# Allegro board P2597_B04_Allegro_layout.brd (continued)
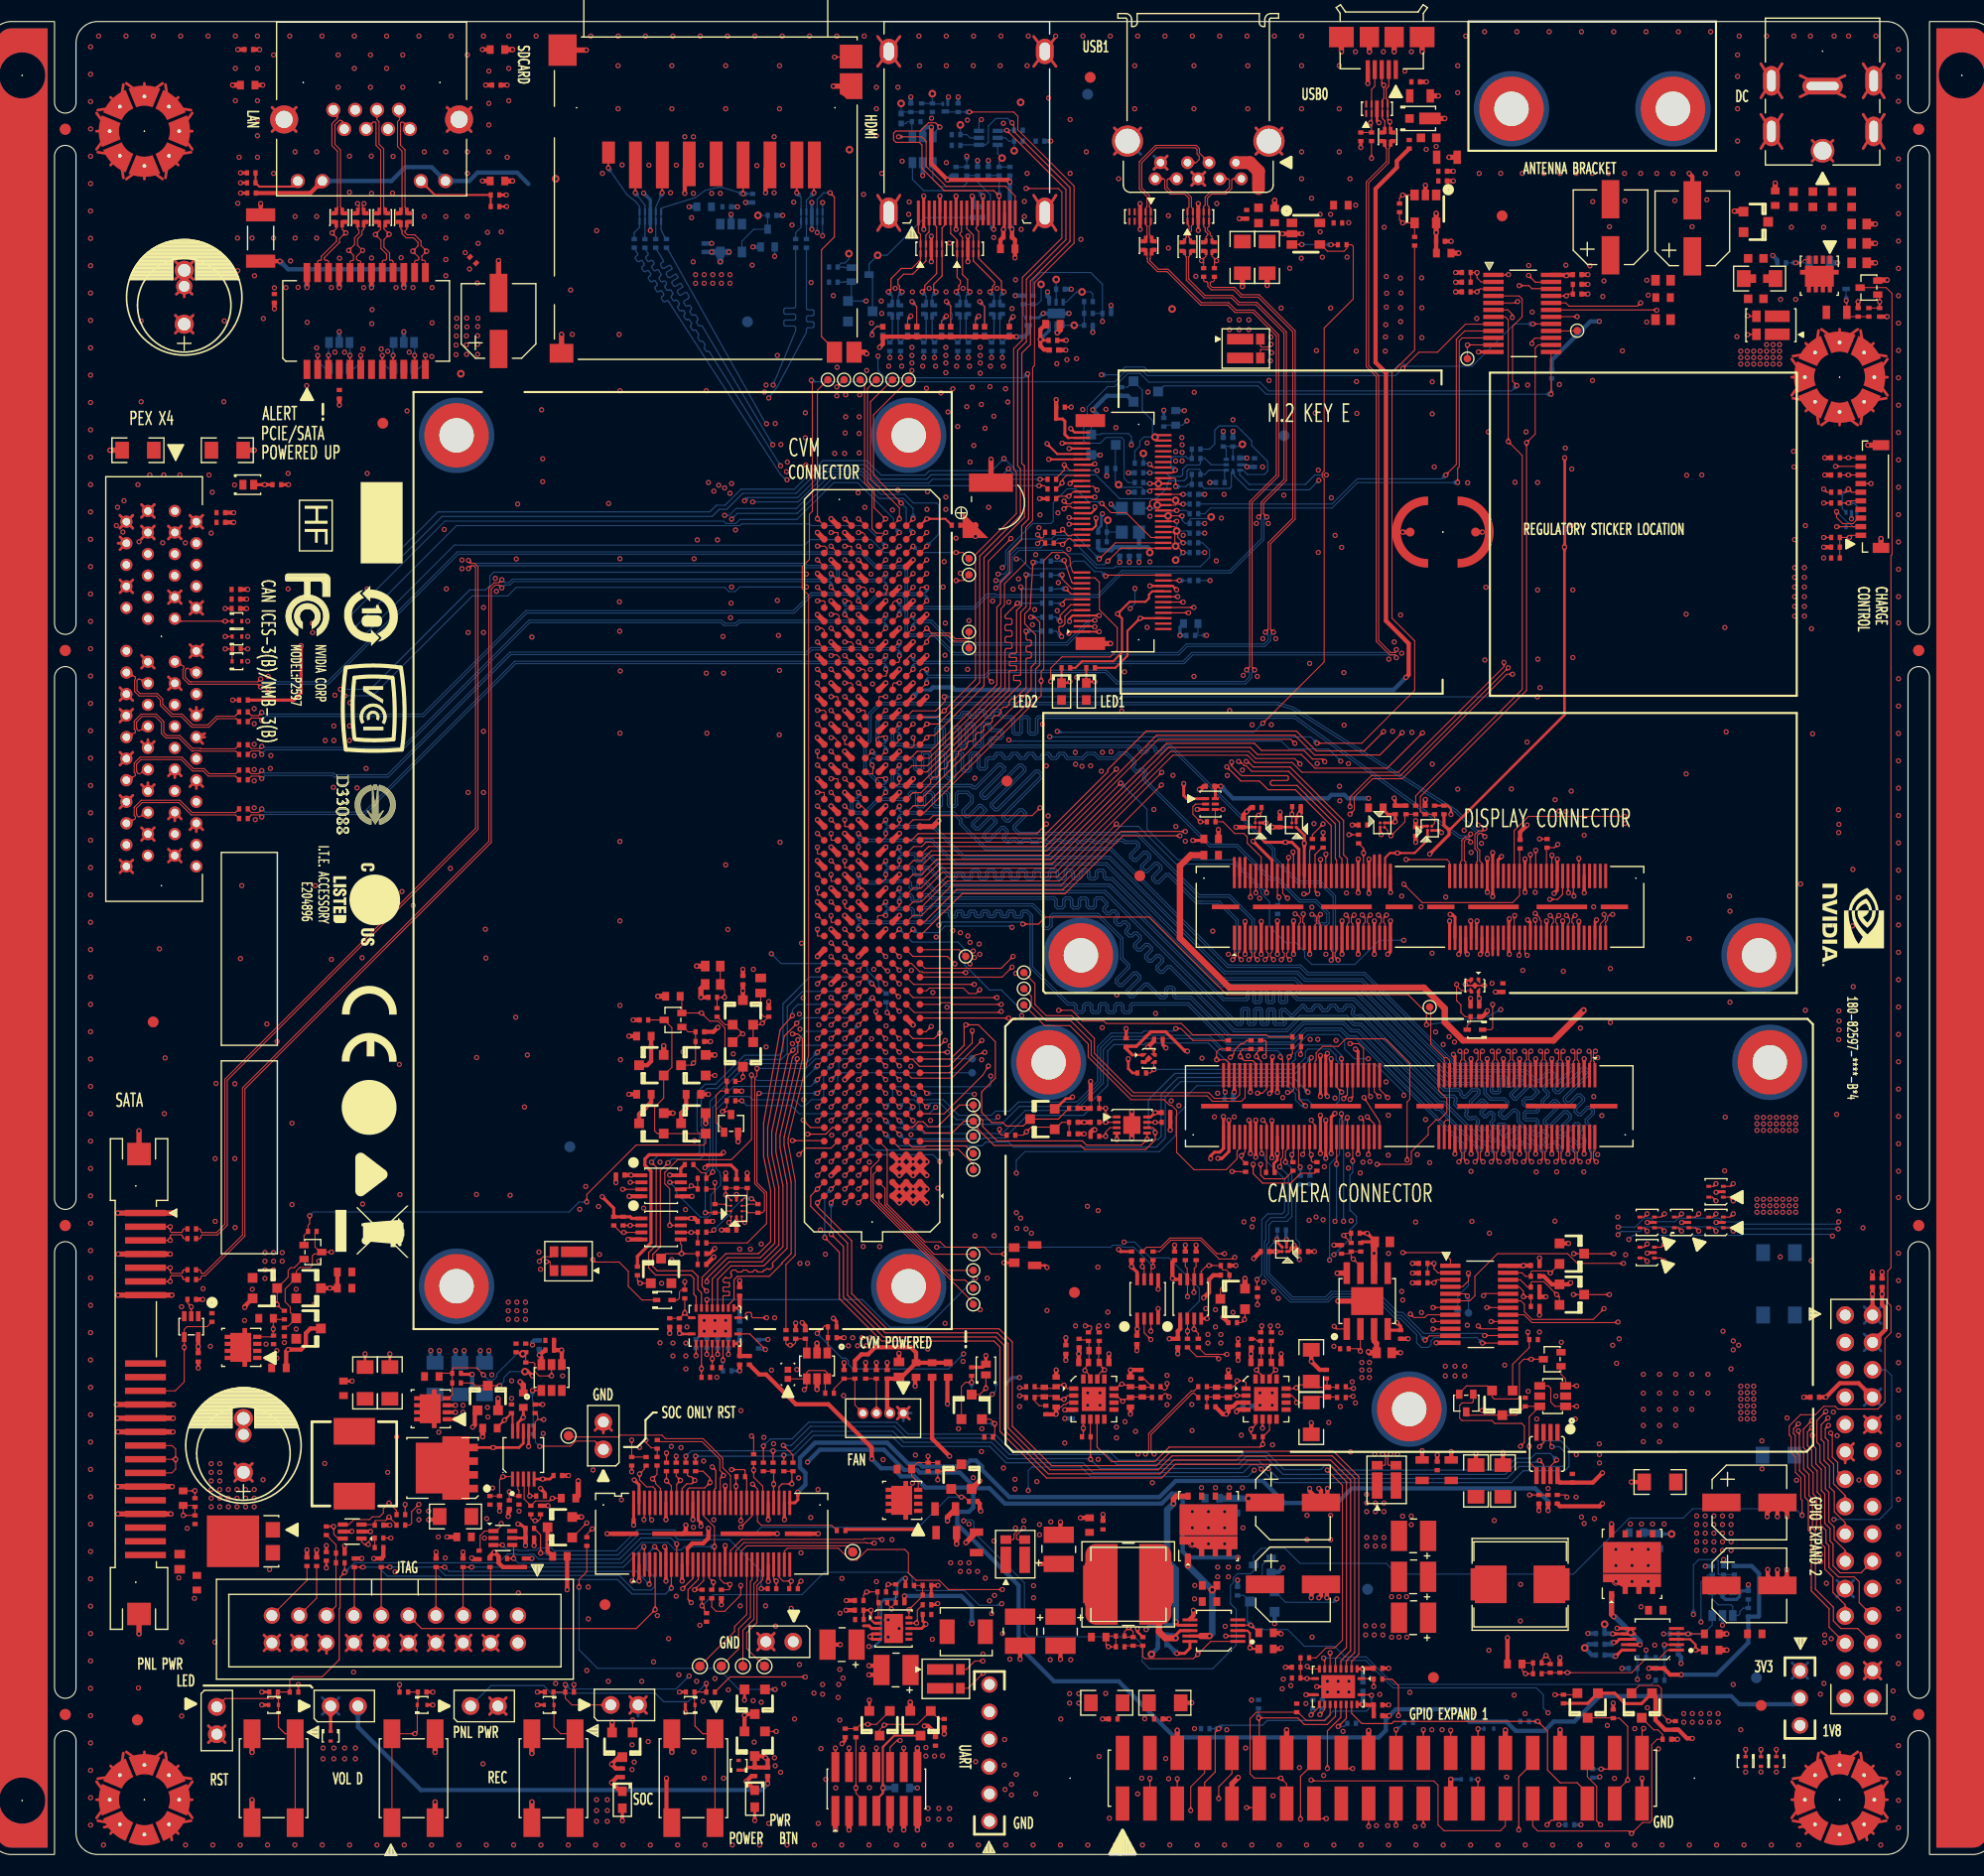
[diagram p0: board, top side]
## Routing (per net, layer and track width the routed paths; a pad name or vN(x,y) marks a point on that pad's centre or on a via; arc(x,y) is an arc through that point) (continued)
CON_CSI_F_D0_P: length 84
  TOP w0.101: v1(84.49,89.72) J13.C23 ; J22.38 140.1,65.32 139.95,65.17 139.95,64.58 v1(140.22,64.31)
  BOTTOM w0.101: v1(84.49,89.72) 84.49,89.3 84.59,89.2 84.91,89.2 84.91,89.19 85.55,89.19 85.78,88.96 85.78,88.7 85.85,88.63 86.22,88.63 86.29,88.7 86.29,88.96 86.52,89.19 87.3,89.19 87.59,88.9 98.92,88.9 99.15,88.67 99.15,88.1 99.25,88 99.55,88 99.65,88.1 99.65,88.67 99.89,88.91 100.36,88.91 100.6,88.67 100.6,88.1 100.7,88 101,88 101.1,88.1 101.1,88.67 101.33,88.9 101.82,88.9 102.05,88.67 102.05,88.1 102.15,88 102.45,88 102.55,88.1 102.55,88.67 102.78,88.9 103.33,88.9 103.85,88.38 103.85,88.06 103.61,87.82 103.61,87.68 103.83,87.46 103.97,87.46 104.21,87.7 104.53,87.7 104.88,87.35 104.88,87.03 104.64,86.79 104.64,86.65 104.86,86.43 105,86.43 105.24,86.67 105.56,86.67 105.91,86.32 105.91,86 105.68,85.76 105.68,85.62 105.89,85.4 106.03,85.4 106.27,85.64 106.59,85.64 106.96,85.27 106.96,84.95 106.47,84.46 106.47,84.32 106.69,84.1 106.83,84.1 107.32,84.59 107.64,84.59 107.99,84.24 107.99,83.91 107.51,83.43 107.51,83.29 107.72,83.07 107.86,83.07 108.35,83.56 108.68,83.56 109.02,83.21 109.02,82.88 108.54,82.4 108.54,82.26 108.75,82.04 108.89,82.04 109.38,82.53 109.71,82.53 115.63,76.61 120.41,76.61 121.71,77.91 126.04,77.91 126.76,77.19 127.42,77.19 134.68,69.92 135.14,69.92 139.95,65.1 139.95,64.58 v1(140.22,64.31)
CON_CSI_F_D1_N: length 83.9
  TOP w0.101: v1(80.68,85.91) 81.02,85.91 81.31,85.61 J13.E20 ; v1(136.46,64.31) 136.73,64.58 136.73,65.17 136.6,65.3 J22.52
  BOTTOM w0.101: v1(80.68,85.91) 80.68,86.36 80.75,86.43 87.42,86.43 87.48,86.5 87.48,86.5 88.08,87.1 88.09,87.1 88.11,87.12 88.11,87.13 88.44,87.46 89,87.46 89.05,87.41 89.05,87.14 89.22,86.96 89.69,86.96 89.87,87.14 89.87,87.41 89.92,87.46 90.2,87.46 90.25,87.41 90.25,87.16 90.43,86.98 90.89,86.98 91.07,87.16 91.07,87.41 91.12,87.46 91.4,87.46 91.45,87.41 91.45,87.16 91.63,86.98 92.09,86.98 92.27,87.16 92.27,87.41 92.32,87.46 92.6,87.46 92.65,87.41 92.65,87.16 92.83,86.98 93.29,86.98 93.47,87.16 93.47,87.41 93.52,87.46 93.8,87.46 93.85,87.41 93.85,87.16 94.03,86.98 94.49,86.98 94.67,87.16 94.67,87.41 94.72,87.46 95,87.46 95.05,87.41 95.05,87.14 95.23,86.96 95.79,86.96 95.97,87.14 95.97,87.41 96.02,87.46 96.31,87.46 96.63,87.14 96.63,82.34 100.11,78.86 100.67,78.86 100.77,78.76 100.77,78.34 101,78.11 101.49,78.11 101.72,78.34 101.72,78.76 101.82,78.86 102.12,78.86 102.23,78.76 102.23,78.31 102.46,78.08 102.94,78.08 103.17,78.31 103.17,78.76 103.27,78.86 103.58,78.86 103.68,78.76 103.68,78.31 103.91,78.08 104.39,78.08 104.62,78.31 104.62,78.76 104.73,78.86 105.03,78.86 105.13,78.76 105.13,78.31 105.36,78.08 105.85,78.08 106.08,78.31 106.08,78.76 106.18,78.86 111.26,78.86 114.92,75.2 121,75.2 122.3,76.5 125.45,76.5 126.17,75.78 126.83,75.78 136.73,65.88 136.73,64.58 v1(136.46,64.31)
CON_CSI_F_D1_P: length 84.1
  TOP w0.101: J22.50 137.1,65.32 136.95,65.17 136.95,64.58 v1(137.22,64.31) ; v1(80.68,87.18) J13.E21
  BOTTOM w0.101: v1(137.22,64.31) 136.95,64.58 136.95,65.97 126.92,76 126.27,76 125.55,76.72 122.2,76.72 120.9,75.42 115.01,75.42 111.35,79.08 106.09,79.08 105.86,78.85 105.86,78.4 105.75,78.3 105.45,78.3 105.35,78.4 105.35,78.85 105.12,79.08 104.63,79.08 104.4,78.85 104.4,78.4 104.3,78.3 104,78.3 103.9,78.4 103.9,78.85 103.67,79.08 103.18,79.08 102.95,78.85 102.95,78.4 102.85,78.3 102.55,78.3 102.45,78.4 102.45,78.85 102.22,79.08 101.73,79.08 101.5,78.85 101.5,78.43 101.4,78.33 101.1,78.33 100.99,78.43 100.99,78.85 100.77,79.08 100.2,79.08 96.85,82.43 96.85,87.23 96.4,87.68 95.93,87.68 95.75,87.5 95.75,87.23 95.7,87.18 95.32,87.18 95.27,87.23 95.27,87.5 95.09,87.68 94.63,87.68 94.45,87.5 94.45,87.25 94.4,87.2 94.12,87.2 94.07,87.25 94.07,87.5 93.89,87.68 93.43,87.68 93.25,87.5 93.25,87.25 93.2,87.2 92.92,87.2 92.87,87.25 92.87,87.5 92.69,87.68 92.23,87.68 92.05,87.5 92.05,87.25 92,87.2 91.72,87.2 91.67,87.25 91.67,87.5 91.49,87.68 91.03,87.68 90.85,87.5 90.85,87.25 90.8,87.2 90.52,87.2 90.47,87.25 90.47,87.5 90.29,87.68 89.83,87.68 89.65,87.5 89.65,87.23 89.6,87.18 89.32,87.18 89.27,87.23 89.27,87.5 89.09,87.68 88.35,87.68 87.8,87.13 87.8,87.12 87.79,87.12 87.32,86.65 80.78,86.65 80.68,86.75 v1(80.68,87.18)
CON_DSI3_CLK_N: length 75.7
  TOP w0.101: v1(83.22,103.69) 83.07,103.84 82.91,103.84 82.82,103.75 82.5,103.75 82.32,103.57 82.32,103.32 J13.D34 ; J23.68 137.1,92.15 137.1,92.15 136.96,92.29 136.96,94.08 137.14,94.26 137.45,94.26 137.55,94.16 v1(137.55,93.99)
  BOTTOM w0.101: v1(83.22,103.69) 83.22,103.25 83.13,103.16 82.87,103.16 82.55,103.48 82.55,105.15 82.89,105.49 87.94,105.49 88.25,105.18 89.15,105.18 89.46,105.49 90.14,105.49 90.37,105.72 90.37,105.86 90.42,105.91 90.82,105.91 90.87,105.86 90.87,105.72 91.1,105.49 91.59,105.49 91.82,105.72 91.82,106.01 91.92,106.11 92.22,106.11 92.32,106.01 92.32,105.72 92.55,105.49 93.04,105.49 93.27,105.72 93.27,106.01 93.37,106.11 93.67,106.11 93.77,106.01 93.77,105.72 94,105.49 94.85,105.49 94.95,105.39 94.95,104.16 95.18,103.93 95.67,103.93 95.9,104.16 95.9,105.39 96,105.49 96.3,105.49 96.4,105.39 96.4,104.16 96.63,103.93 97.12,103.93 97.35,104.16 97.35,105.39 97.45,105.49 121.17,105.49 136.52,94.36 137.32,94.36 137.55,94.13 v1(137.55,93.99)
CON_DSI3_CLK_P: length 75.8
  TOP w0.101: J13.D33 v1(83.22,102.42) ; J23.66 136.6,92.14 136.74,92.29 136.74,94.17 137.05,94.48 137.45,94.48 137.55,94.58 v1(137.55,94.75)
  BOTTOM w0.101: v1(83.22,102.42) 83.22,102.84 83.12,102.94 82.77,102.94 82.33,103.39 82.33,105.24 82.8,105.71 88.03,105.71 88.34,105.4 89.06,105.4 89.37,105.71 90.04,105.71 90.14,105.81 90.14,105.95 90.32,106.13 90.91,106.13 91.09,105.95 91.09,105.81 91.19,105.71 91.5,105.71 91.6,105.81 91.6,106.1 91.83,106.33 92.31,106.33 92.54,106.1 92.54,105.81 92.64,105.71 92.95,105.71 93.05,105.81 93.05,106.1 93.28,106.33 93.77,106.33 94,106.1 94,105.81 94.1,105.71 94.94,105.71 95.17,105.48 95.17,104.25 95.27,104.15 95.58,104.15 95.68,104.25 95.68,105.48 95.91,105.71 96.39,105.71 96.62,105.48 96.62,104.25 96.73,104.15 97.03,104.15 97.13,104.25 97.13,105.48 97.36,105.71 121.24,105.71 136.59,94.58 137.38,94.58 v1(137.55,94.75)
CON_DSI4_CLK_N: length 75.8
  TOP w0.101: J23.74 138.6,92.05 138.6,92.05 138.4,92.25 138.4,93.23 138.17,93.46 138.17,94.6 138.37,94.8 138.59,94.8 v1(138.88,94.5) ; v1(83.22,99.88) 83.12,99.98 82.48,99.98 82.3,99.8 82.3,99.53 J13.D31
  BOTTOM w0.101: v1(83.22,99.88) 83.22,99.45 83.11,99.35 82.88,99.35 81.4,100.83 81.4,102.91 81.85,103.36 81.85,105.86 82.73,106.75 119.65,106.75 119.68,106.71 119.75,106.71 121.02,106.3 136.11,96.8 138.07,94.85 138.54,94.85 v1(138.88,94.5)
CON_DSI4_CLK_P: length 76
  TOP w0.101: J23.72 138.1,92.12 138.18,92.2 138.18,93.14 137.95,93.37 137.95,94.69 138.28,95.02 138.64,95.02 v1(138.88,95.26) ; J13.D30 v1(83.22,98.61)
  BOTTOM w0.101: v1(83.22,98.61) 83.22,99.06 83.15,99.13 82.78,99.13 82.78,99.14 81.18,100.74 81.18,103 81.63,103.45 81.63,105.95 82.64,106.97 119.71,106.97 119.73,106.95 121.04,106.53 121.07,106.53 136.25,96.98 138.16,95.07 138.69,95.07 v1(138.88,95.26)
CON_DSI_A_CLK_N: length 65.1
  TOP w0.101: v1(78.14,103.69) 78.44,103.69 78.77,103.35 J13.G34 ; v1(125.98,87.22) 126.25,86.96 126.25,86.55 126.1,86.4 J23.43
  L4 w0.101: v1(78.14,103.69) 78.14,103.23 78.19,103.18 84.69,103.18 85.86,102.02 95.2,102.02 95.52,101.7 95.66,101.7 96.05,102.08 96.4,102.08 96.76,101.72 96.76,101.36 96.38,100.98 96.38,100.84 96.59,100.62 96.74,100.62 97.12,101.01 97.47,101.01 97.84,100.64 97.84,100.29 97.45,99.9 97.45,99.76 97.67,99.55 97.81,99.55 98.14,99.87 98.47,99.87 99.1,99.24 99.1,98.88 98.75,98.53 98.75,98.46 99.83,97.39 104.41,97.39 105.16,97.39 106.07,96.48 106.08,96.48 107.57,94.98 107.58,94.98 109.63,92.93 118.6,92.93 118.64,92.89 119.02,92.51 119.02,92.5 121.04,90.49 123.04,90.49 125.15,88.38 125.15,86.58 125.55,86.18 126.15,86.18 126.23,86.26 126.23,86.97 v1(125.98,87.22)
CON_DSI_A_CLK_P: length 65.2
  TOP w0.101: J23.45 126.6,86.41 126.47,86.55 126.47,86.96 v1(126.74,87.22) ; J13.G33 v1(78.14,102.42)
  L4 w0.101: v1(78.14,102.42) 78.14,102.62 78.45,102.93 84.59,102.93 85.75,101.76 95.1,101.76 95.33,101.53 95.41,101.44 95.77,101.44 96.15,101.83 96.29,101.83 96.51,101.61 96.51,101.47 96.13,101.08 96.13,100.73 96.49,100.37 96.84,100.37 97.23,100.75 97.37,100.75 97.59,100.53 97.59,100.39 97.2,100.01 97.2,99.66 97.57,99.29 97.92,99.29 98.24,99.62 98.36,99.62 98.85,99.13 98.85,98.98 98.5,98.64 98.5,98.36 99.72,97.14 104.51,97.14 105.06,97.14 105.97,96.22 107.47,94.72 107.47,94.72 109.52,92.68 118.49,92.68 118.77,92.4 120.93,90.24 122.93,90.24 124.9,88.27 124.9,86.47 125.44,85.93 126.25,85.93 126.48,86.16 126.48,86.97 v1(126.74,87.22)
CON_DSI_A_D0_N: length 65.5
  TOP w0.101: J23.55 129.1,86.39 129.25,86.55 129.25,86.96 v1(128.98,87.22) ; J13.F35 v1(79.41,104.96)
  L4 w0.101: v1(79.41,104.96) 79.59,104.78 80.15,104.78 80.45,104.48 84.71,104.48 85.3,103.89 85.3,103.58 85.87,103.01 96.06,103.01 105.11,98.15 106.07,97.67 110.74,93.63 118.86,93.63 121.32,91.17 123.46,91.17 125.9,88.73 130.14,88.73 130.9,87.97 130.9,86.33 130.5,85.93 129.7,85.93 129.24,86.39 129.24,86.97 v1(128.98,87.22)
CON_DSI_A_D0_P: length 65.4
  TOP w0.101: v1(129.74,87.22) 129.47,86.96 129.47,86.55 129.61,86.41 129.6,86.4 J23.57 ; v1(79.41,103.69) 79.41,103.1 79.46,103.05 J13.F34
  L4 w0.101: v1(129.74,87.22) 129.49,86.97 129.49,86.5 129.81,86.18 130.39,86.18 130.65,86.44 130.65,87.87 130.04,88.48 125.79,88.48 123.35,90.92 121.21,90.92 118.75,93.38 110.65,93.38 105.93,97.46 105,97.92 96,102.75 85.77,102.75 85.05,103.47 85.05,103.78 84.6,104.23 80.34,104.23 80.04,104.53 79.46,104.53 79.25,104.32 79.25,103.85 v1(79.41,103.69)
CON_DSI_A_D1_N: length 64.6
  TOP w0.101: v1(76.87,102.42) 76.87,101.86 76.94,101.78 77.5,101.78 ; J23.49 127.6,86.4 127.75,86.55 127.75,86.96 v1(127.48,87.22)
  L4 w0.101: v1(76.87,102.42) 76.87,102.01 76.97,101.91 84.68,101.91 85.23,101.36 94.93,101.36 95.22,101.06 95.22,100.75 95.22,100.71 95.15,100.64 95.15,100.44 95.31,100.28 95.51,100.28 95.61,100.38 95.91,100.38 99.55,96.73 104.68,96.73 104.68,96.73 104.89,96.73 105.57,96.06 105.73,95.89 105.73,95.89 107.3,94.32 107.31,94.32 107.73,93.9 108.01,93.62 109.35,92.28 109.36,92.28 109.4,92.23 118.37,92.23 120.77,89.83 122.35,89.83 122.82,89.36 122.82,89.08 124.49,87.41 124.49,86.31 124.8,86 124.8,85.98 125.5,85.28 126.79,85.28 127.73,86.22 127.73,86.97 v1(127.48,87.22)
CON_DSI_A_D1_P: length 64.7
  TOP w0.101: 77.5,100.51 v1(76.87,101.15) ; v1(128.24,87.22) 127.97,86.96 127.97,86.55 128.11,86.41 128.1,86.4 J23.51
  L4 w0.101: v1(76.87,101.15) 76.87,101.55 76.98,101.66 84.57,101.66 85.12,101.11 94.82,101.11 94.97,100.96 94.97,100.86 94.97,100.82 94.9,100.75 94.9,100.33 95.2,100.03 95.61,100.03 95.72,100.13 95.8,100.13 99.45,96.48 104.78,96.48 105.31,95.95 105.62,95.64 105.62,95.64 107.2,94.07 107.2,94.07 107.83,93.44 109.25,92.02 109.25,92.02 109.3,91.98 118.26,91.98 120.67,89.58 122.25,89.58 122.57,89.25 122.57,88.97 124.24,87.3 124.24,86.2 124.55,85.9 124.55,85.88 125.39,85.03 126.9,85.03 127.99,86.12 127.99,86.97 v1(128.24,87.22)
CON_DSI_A_D2_N: length 75.8
  TOP w0.101: J13.C35 v1(84.49,104.96) ; J23.37 124.6,83.91 124.73,83.78 124.73,83.16 v1(124.6,83.03)
  BOTTOM w0.101: v1(124.6,83.03) 124.78,83.21 124.78,88.9 123.51,90.17 121.46,90.17 119.14,92.49 119.14,93.27 109.64,102.78 109.2,102.78 109.1,102.68 109.1,102.46 108.87,102.23 108.38,102.23 108.15,102.46 108.15,102.68 108.05,102.78 107.75,102.78 107.65,102.68 107.65,102.46 107.42,102.23 106.93,102.23 106.7,102.46 106.7,102.68 106.6,102.78 93.02,102.78 92.79,103.01 92.79,103.53 93.02,103.76 93.83,103.76 93.93,103.86 93.93,104.16 93.83,104.26 93.02,104.26 92.79,104.49 92.79,104.76 92.69,104.86 92.39,104.86 92.28,104.76 92.28,103.01 92.05,102.78 91.57,102.78 91.34,103.01 91.34,104.76 91.24,104.86 90.93,104.86 90.83,104.76 90.83,103.01 90.6,102.78 90.22,102.78 89.99,103.01 89.99,104.45 89.89,104.56 89.58,104.56 89.48,104.45 89.48,103.01 89.25,102.78 88.76,102.78 88.53,103.01 88.53,104.45 88.43,104.56 88.12,104.56 88.01,104.45 88.01,102.99 87.79,102.77 84.88,102.77 84.72,102.94 84.16,102.94 83.74,103.36 83.74,104.15 84.02,104.43 84.39,104.43 84.49,104.53 v1(84.49,104.96)
CON_DSI_A_D2_P: length 75.7
  TOP w0.101: v1(125.25,83.05) 124.95,83.35 124.95,83.73 125.1,83.88 J23.39 ; v1(84.49,103.69) 84.49,103.47 84.07,103.05 J13.C34
  BOTTOM w0.101: v1(84.49,103.69) 84.49,104.14 84.42,104.21 84.12,104.21 83.96,104.05 83.96,103.46 84.26,103.16 84.82,103.16 84.98,103 87.69,103 87.79,103.09 87.79,104.54 88.02,104.78 88.52,104.78 88.75,104.55 88.75,103.1 88.85,103 89.16,103 89.26,103.1 89.26,104.55 89.49,104.78 89.98,104.78 90.21,104.55 90.21,103.1 90.32,103 90.51,103 90.61,103.1 90.61,104.85 90.84,105.08 91.33,105.08 91.56,104.85 91.56,103.1 91.66,103 91.96,103 92.06,103.1 92.06,104.85 92.29,105.08 92.78,105.08 93.01,104.85 93.01,104.58 93.11,104.48 93.92,104.48 94.15,104.25 94.15,103.77 93.92,103.54 93.11,103.54 93.01,103.44 93.01,103.1 93.11,103 106.69,103 106.92,102.77 106.92,102.55 107.02,102.45 107.33,102.45 107.43,102.55 107.43,102.77 107.66,103 108.14,103 108.37,102.77 108.37,102.55 108.47,102.45 108.78,102.45 108.88,102.55 108.88,102.77 109.11,103 109.73,103 119.36,93.36 119.36,92.58 121.56,90.39 123.61,90.39 125,88.99 125,83.3 v1(125.25,83.05)
CON_DSI_A_D3_N: length 76.1
  TOP w0.101: J13.E33 v1(81.95,102.42) ; J23.31 123.1,86.33 123.25,86.48 123.25,87.03 123,87.28 v1(122.81,87.28)
  BOTTOM w0.101: v1(81.95,102.42) 81.95,102.38 82.43,101.9 84.81,101.9 84.82,101.9 85,101.9 85.01,101.9 85.8,101.9 86.03,101.66 86.03,100.9 86.09,100.84 86.47,100.84 86.53,100.9 86.53,102.27 86.67,102.4 87.26,102.4 87.45,102.21 87.45,100.11 87.53,100.03 87.81,100.03 87.86,100.08 87.86,102.18 88.04,102.36 88.68,102.36 88.89,102.15 88.89,100.2 89.09,100 89.39,100 89.49,100.1 89.49,102.21 89.69,102.41 90.25,102.41 90.45,102.21 90.45,100.8 90.55,100.7 90.85,100.7 90.95,100.8 90.95,102.11 91.18,102.34 91.72,102.34 91.95,102.11 91.95,101 92.05,100.9 92.35,100.9 92.45,101 92.45,101.66 92.68,101.89 93.18,101.89 93.28,102 93.28,102.1 93.51,102.33 94,102.33 94.23,102.1 94.23,102 94.33,101.89 94.63,101.89 94.73,102 94.73,102.1 94.96,102.33 95.45,102.33 95.68,102.1 95.68,102 95.78,101.89 96.08,101.89 96.18,102 96.18,102.1 96.41,102.33 96.9,102.33 97.13,102.1 97.13,102 97.23,101.89 97.54,101.89 97.64,102 97.64,102.1 97.87,102.33 98.35,102.33 98.58,102.1 98.58,102 98.68,101.89 98.99,101.89 99.09,102 99.09,102.1 99.32,102.33 99.81,102.33 100.04,102.1 100.04,102 100.14,101.89 101.45,101.89 101.89,102.33 102.65,102.33 103.09,101.89 104.41,101.89 104.87,102.35 105.63,102.35 106.46,101.52 106.46,101.2 106.29,101.03 106.29,100.89 106.51,100.67 106.65,100.67 106.82,100.84 107.14,100.84 107.49,100.49 107.49,100.16 107.32,100 107.32,99.86 113.4,93.78 115.88,93.78 118.97,90.69 119.68,90.69 119.75,90.63 121.74,88.64 123.2,88.64 124.41,87.43 124.41,86.47 124.22,86.28 123.5,86.28 123.1,86.68 123.1,87.13 122.95,87.28 v1(122.81,87.28)
CON_DSI_A_D3_P: length 76.1
  TOP w0.101: J23.33 123.6,86.34 123.61,86.34 123.47,86.48 123.47,87.14 v1(123.61,87.28) ; v1(81.95,101.15) 82.1,101 82.1,100.84 82.01,100.75 82.01,100.36 81.98,100.33 81.5,100.33 J13.E32
  BOTTOM w0.101: v1(123.61,87.28) 123.47,87.28 123.32,87.13 123.32,86.77 123.59,86.5 124.13,86.5 124.19,86.56 124.19,87.34 123.11,88.42 121.64,88.42 119.59,90.47 118.87,90.47 115.79,93.56 113.31,93.56 107.1,99.76 107.1,100.09 107.27,100.26 107.27,100.4 107.05,100.62 106.91,100.62 106.74,100.45 106.41,100.45 106.07,100.8 106.07,101.12 106.24,101.29 106.24,101.43 105.54,102.13 104.96,102.13 104.51,101.67 102.99,101.67 102.56,102.11 101.98,102.11 101.54,101.67 100.04,101.67 99.81,101.9 99.81,102.01 99.71,102.11 99.41,102.11 99.31,102.01 99.31,101.9 99.08,101.67 98.59,101.67 98.36,101.9 98.36,102.01 98.26,102.11 97.96,102.11 97.86,102.01 97.86,101.9 97.63,101.67 97.14,101.67 96.91,101.9 96.91,102.01 96.81,102.11 96.51,102.11 96.41,102.01 96.41,101.9 96.18,101.67 95.69,101.67 95.46,101.9 95.46,102.01 95.36,102.11 95.05,102.11 94.95,102.01 94.95,101.9 94.72,101.67 94.24,101.67 94.01,101.9 94.01,102.01 93.91,102.11 93.6,102.11 93.5,102.01 93.5,101.9 93.27,101.67 92.78,101.67 92.68,101.57 92.68,100.91 92.45,100.68 91.96,100.68 91.73,100.91 91.73,102.02 91.63,102.12 91.27,102.12 91.17,102.02 91.17,100.71 90.94,100.48 90.46,100.48 90.23,100.71 90.23,102.12 90.16,102.19 89.78,102.19 89.71,102.12 89.71,100.01 89.48,99.78 89,99.78 88.67,100.11 88.67,102.06 88.59,102.14 88.13,102.14 88.08,102.09 88.08,99.98 87.91,99.81 87.44,99.81 87.23,100.02 87.23,102.12 87.17,102.18 86.76,102.18 86.75,102.18 86.75,100.81 86.57,100.62 86,100.62 85.81,100.81 85.81,101.57 85.71,101.67 84.92,101.67 84.91,101.68 84.91,101.67 82.28,101.67 82.17,101.78 81.98,101.78 81.77,101.58 81.77,101.32 v1(81.95,101.15)
CON_DSI_B_CLK_N: length 64.9
  TOP w0.101: J13.G31 78.77,99.83 78.72,99.88 v1(78.14,99.88) ; J23.13 118.6,83.82 118.74,83.67 118.74,83.37 v1(118.45,83.08)
  L4 w0.101: v1(78.14,99.88) 78.14,99.47 78.24,99.37 89.8,99.37 90.05,99.12 90.05,98.83 90.1,98.78 90.55,98.78 90.6,98.83 90.6,99.31 90.87,99.58 91.28,99.58 91.55,99.31 91.55,98.83 91.6,98.78 91.74,98.78 92.24,99.28 92.69,99.28 92.9,99.28 93.16,99.02 93.16,98.56 93.77,97.95 94.03,97.95 94.23,97.75 94.23,97.48 94.84,96.88 95.35,96.88 96.4,95.83 96.4,95.32 97.59,94.12 99.57,94.12 99.83,93.86 100.34,93.86 100.6,94.12 101.08,94.12 101.35,93.86 101.86,93.86 102.66,94.66 102.94,94.66 103.73,93.86 103.92,93.86 103.92,93.86 104.34,93.86 104.34,93.86 104.88,93.86 104.96,93.78 106.46,92.28 106.46,92.28 108.55,90.2 109.19,90.2 111.66,87.72 118.01,87.72 118.93,86.81 118.93,85.26 117.64,83.97 114.89,83.97 114.66,83.74 114.66,83.27 115.25,82.68 118.55,82.68 118.66,82.79 118.66,82.87 v1(118.45,83.08)
CON_DSI_B_CLK_P: length 65
  TOP w0.101: v1(119.25,83.08) 118.96,83.37 118.96,83.67 119.1,83.81 119.1,83.82 J23.15 ; J13.G30 v1(78.14,98.61)
  L4 w0.101: v1(78.14,98.61) 78.14,98.92 78.34,99.12 89.7,99.12 89.8,99.02 89.8,98.73 90,98.53 90.65,98.53 90.85,98.73 90.85,99.21 90.97,99.33 91.18,99.33 91.3,99.21 91.3,98.73 91.49,98.53 91.84,98.53 92.34,99.03 92.79,99.03 92.9,98.92 92.9,98.66 92.9,98.66 92.9,98.45 93.66,97.7 93.86,97.7 93.86,97.7 93.92,97.7 93.98,97.64 93.98,97.58 93.98,97.58 93.98,97.38 94.74,96.62 94.94,96.62 94.94,96.62 95.25,96.62 96.15,95.72 96.15,95.21 97.49,93.87 99.46,93.87 99.73,93.6 100.44,93.6 100.71,93.87 100.98,93.87 101.25,93.6 101.96,93.6 102.76,94.4 102.83,94.4 103.63,93.61 103.81,93.61 103.81,93.61 104.44,93.61 104.44,93.61 104.78,93.61 104.78,93.61 104.85,93.53 106.36,92.03 106.36,92.03 108.45,89.94 109.08,89.94 111.55,87.47 117.91,87.47 118.67,86.71 118.67,85.36 117.53,84.22 114.78,84.22 114.41,83.85 114.41,83.17 115.15,82.43 118.66,82.43 118.92,82.69 118.92,82.75 v1(119.25,83.08)
CON_DSI_B_D0_N: length 64.8
  TOP w0.101: J13.F32 v1(79.41,101.15) ; J23.25 121.6,86.4 121.74,86.55 121.74,86.96 121.47,87.23 121.35,87.23 v1(121.25,87.33)
  L4 w0.101: v1(121.25,87.33) 121.35,87.23 121.47,87.23 121.73,86.97 121.73,86.66 121.25,86.18 120.8,86.18 120.55,86.43 120.55,87.03 119.2,88.38 112.02,88.38 109.55,90.85 108.83,90.85 106.73,92.94 106.73,92.94 105.16,94.52 104,94.52 103.17,95.35 102.1,95.35 101.85,95.1 101.85,94.78 101.75,94.68 101.45,94.68 101.35,94.78 101.35,95.1 101.1,95.35 100.59,95.35 100.34,95.1 100.34,94.78 100.24,94.68 99.94,94.68 99.83,94.78 99.83,95.1 99.58,95.35 99.19,95.35 98.85,95.01 98.62,94.78 97.87,94.78 97.15,95.5 97.15,96.55 96.9,96.8 96.4,96.8 96.3,96.9 96.3,97.2 96.4,97.3 96.9,97.3 97.15,97.55 97.15,98.21 96.84,98.52 96.48,98.52 96.26,98.3 96.01,98.3 95.31,97.6 95.24,97.6 94.95,97.88 94.95,97.96 95.65,98.66 95.65,99.01 95.29,99.37 94.94,99.37 94.17,98.61 94.04,98.61 93.81,98.83 93.81,98.97 94.61,99.77 94.61,100.05 94.46,100.2 94.46,100.42 94.24,100.64 93.34,100.64 93.09,100.39 93.09,100.08 92.99,99.98 92.68,99.98 92.58,100.08 92.58,100.39 92.33,100.64 79.51,100.64 79.41,100.74 v1(79.41,101.15)
CON_DSI_B_D0_P: length 64.8
  TOP w0.101: v1(122.01,87.33) 122.05,87.29 122.05,87.04 121.97,86.96 121.97,86.55 122.1,86.41 122.1,86.4 J23.27 ; v1(79.41,99.88) J13.F31
  L4 w0.101: v1(79.41,99.88) 79.41,100.29 79.51,100.39 92.23,100.39 92.33,100.29 92.33,99.98 92.58,99.73 93.09,99.73 93.34,99.98 93.34,100.29 93.44,100.39 94.13,100.39 94.21,100.31 94.21,100.09 94.36,99.94 94.36,99.87 93.56,99.07 93.56,98.73 93.93,98.35 94.28,98.35 95.04,99.12 95.18,99.12 95.4,98.9 95.4,98.76 94.7,98.06 94.7,97.78 95.14,97.34 95.42,97.34 96.12,98.04 96.36,98.04 96.59,98.27 96.73,98.27 96.89,98.11 96.89,97.66 96.79,97.56 96.3,97.56 96.05,97.31 96.05,96.8 96.3,96.55 96.79,96.55 96.89,96.45 96.89,95.57 96.89,95.56 96.89,95.39 97.76,94.52 98.72,94.52 99.11,94.91 99.3,95.1 99.48,95.1 99.58,95 99.58,94.68 99.74,94.52 99.74,94.52 99.83,94.43 100.04,94.43 100.04,94.43 100.34,94.43 100.59,94.68 100.59,95 100.69,95.1 101,95.1 101.1,95 101.1,94.68 101.35,94.43 101.86,94.43 102.11,94.68 102.11,95 102.21,95.1 103.06,95.1 103.9,94.26 105.05,94.26 105.05,94.26 106.63,92.69 106.63,92.69 108.72,90.6 109.44,90.6 111.92,88.13 119.09,88.13 120.3,86.92 120.3,86.33 120.69,85.93 121.35,85.93 121.98,86.55 121.98,86.97 122.05,87.04 122.05,87.29 v1(122.01,87.33)
CON_DSI_B_D1_N: length 64.9
  TOP w0.101: v1(76.87,98.61) 77.45,98.61 77.5,98.56 77.5,97.97 ; J23.19 120.1,83.82 120.24,83.67 120.24,83.37 v1(119.95,83.08)
  L4 w0.101: v1(76.87,98.61) 76.87,98.21 76.98,98.1 88.67,98.1 88.92,97.85 88.92,97.63 89.02,97.53 89.32,97.53 89.42,97.63 89.42,97.85 89.67,98.1 90.18,98.1 90.43,97.85 90.43,97.63 90.53,97.53 90.84,97.53 90.94,97.63 90.94,97.85 91.19,98.1 92.69,98.1 97.59,93.2 102.88,93.2 102.88,93.2 102.98,93.2 102.98,93.2 104.61,93.2 104.69,93.13 106.26,91.55 106.27,91.55 108.28,89.54 108.76,89.54 111.24,87.07 115.54,87.07 116.38,86.23 117.62,86.23 117.82,86.03 117.82,85.08 117.37,84.63 114.62,84.63 114,84.01 114,83 114.98,82.02 119.59,82.02 120.23,82.66 120.23,82.81 v1(119.95,83.08)
CON_DSI_B_D1_P: length 65
  TOP w0.101: J23.21 120.6,83.81 120.46,83.67 120.46,83.37 v1(120.75,83.08) ; 77.5,96.7 v1(76.87,97.34)
  L4 w0.101: v1(76.87,97.34) 76.87,97.75 76.97,97.85 88.56,97.85 88.66,97.75 88.66,97.53 88.91,97.28 89.43,97.28 89.67,97.53 89.67,97.75 89.78,97.85 90.08,97.85 90.18,97.75 90.18,97.53 90.43,97.28 90.94,97.28 91.19,97.53 91.19,97.75 91.29,97.85 92.58,97.85 97.48,92.95 102.88,92.95 102.88,92.95 103.08,92.95 103.08,92.95 104.51,92.95 104.58,92.88 106.16,91.3 106.16,91.3 108.18,89.29 108.66,89.29 111.13,86.81 115.44,86.81 116.28,85.97 117.52,85.97 117.57,85.92 117.57,85.19 117.26,84.88 114.51,84.88 113.75,84.12 113.75,82.9 114.88,81.77 119.69,81.77 120.48,82.56 120.48,82.81 v1(120.75,83.08)
CON_DSI_B_D2_N: length 76.5
  TOP w0.101: J23.7 117.1,83.81 117.24,83.67 117.24,83.37 v1(116.95,83.08) ; v1(84.49,101.15) J13.C32
  BOTTOM w0.101: v1(116.95,83.08) 117.24,83.37 117.24,86.74 115.1,88.88 112.29,88.88 106.49,94.68 95.55,94.68 95.05,95.18 95.05,95.5 96.06,96.51 96.06,96.66 95.84,96.87 95.7,96.87 94.69,95.86 94.37,95.86 94.01,96.22 94.01,96.54 97.57,100.1 97.57,100.24 97.35,100.46 97.21,100.46 93.65,96.9 93.33,96.9 92.95,97.28 92.95,97.6 96.01,100.66 96.01,100.8 95.79,101.02 95.65,101.02 92.59,97.96 92.27,97.96 91.98,98.25 91.98,98.58 94.11,100.71 94.11,100.86 93.89,101.07 93.75,101.07 91.62,98.94 91.29,98.94 91.1,99.13 84.11,99.13 83.74,99.5 83.74,100.27 84.09,100.62 84.39,100.62 84.49,100.72 v1(84.49,101.15)
CON_DSI_B_D2_P: length 76.4
  TOP w0.101: v1(117.75,83.08) 117.46,83.37 117.46,83.67 117.6,83.81 J23.9 ; J13.C31 84.27,99.24 84.49,99.47 v1(84.49,99.88)
  BOTTOM w0.101: v1(117.75,83.08) 117.46,83.37 117.46,86.83 115.19,89.1 112.38,89.1 106.58,94.9 95.64,94.9 95.27,95.27 95.27,95.41 96.28,96.42 96.28,96.75 95.94,97.09 95.61,97.09 94.6,96.08 94.46,96.08 94.23,96.31 94.23,96.45 97.79,100.01 97.79,100.33 97.44,100.68 97.12,100.68 93.56,97.12 93.42,97.12 93.17,97.37 93.17,97.51 96.23,100.57 96.23,100.9 95.89,101.24 95.56,101.24 92.5,98.18 92.36,98.18 92.2,98.34 92.2,98.49 94.33,100.62 94.33,100.95 93.99,101.29 93.66,101.29 91.53,99.16 91.38,99.16 91.2,99.35 84.2,99.35 83.96,99.59 83.96,100.18 84.19,100.4 84.39,100.4 84.49,100.3 v1(84.49,99.88)
CON_DSI_B_D3_N: length 76.3
  TOP w0.101: J23.1 115.6,83.81 115.74,83.67 115.74,83.37 v1(115.45,83.08) ; J13.E30 v1(80.68,98.61)
  BOTTOM w0.101: v1(115.45,83.08) 115.74,83.37 115.74,86.69 114.15,88.28 112.44,88.28 112.43,88.29 112.04,88.29 109.46,90.87 109.32,90.87 108.6,90.15 108.28,90.15 107.93,90.5 107.93,90.82 108.65,91.54 108.65,91.68 108.43,91.9 108.29,91.9 107.57,91.18 107.25,91.18 106.9,91.53 106.9,91.85 107.62,92.57 107.62,92.71 107.4,92.93 107.26,92.93 106.54,92.21 106.22,92.21 105.87,92.56 105.87,92.89 106.59,93.6 106.59,93.74 106.45,93.88 105.41,93.88 105.23,94.06 104.82,94.06 104.64,93.88 103.95,93.88 103.77,94.06 103.37,94.06 103.19,93.88 102.5,93.88 102.32,94.06 101.92,94.06 101.74,93.88 101.05,93.88 100.87,94.06 100.47,94.06 100.29,93.88 99.6,93.88 99.42,94.06 99.01,94.06 98.83,93.88 98.14,93.88 97.97,94.06 97.56,94.06 97.38,93.88 96.69,93.88 96.51,94.06 96.11,94.06 95.93,93.88 95.49,93.88 95.18,94.19 95.04,94.19 94.75,93.9 94.43,93.9 94.08,94.25 94.08,94.58 94.36,94.86 94.36,95 94.12,95.24 94.05,95.24 92.91,94.1 92.58,94.1 92.24,94.44 92.24,94.77 93.33,95.87 93.33,95.94 93.05,96.22 92.98,96.22 91.88,95.13 91.55,95.13 91.21,95.47 91.21,95.8 92.36,96.95 92.04,97.28 91.97,97.28 90.97,96.28 90.65,96.28 90.3,96.63 90.3,96.96 91.11,97.77 91.11,98.16 90.76,98.51 89.99,98.51 89.89,98.41 89.89,97.44 89.66,97.21 89.12,97.21 88.94,97.39 88.94,98.41 88.84,98.51 88.54,98.51 88.49,98.46 88.49,97.39 88.28,97.19 87.75,97.19 87.54,97.39 87.54,98.36 87.39,98.51 87.09,98.51 86.94,98.36 86.94,97.39 86.73,97.19 86.19,97.19 85.99,97.39 85.99,98.46 85.94,98.51 85.63,98.51 85.53,98.41 85.53,98.09 85.3,97.86 82.58,97.86 81.31,96.59 80.32,96.59 79.93,96.98 79.93,97.79 80.22,98.08 80.58,98.08 80.68,98.19 v1(80.68,98.61)